# Altium PCB roach2.PcbDoc (part 26 of 39) (continued)
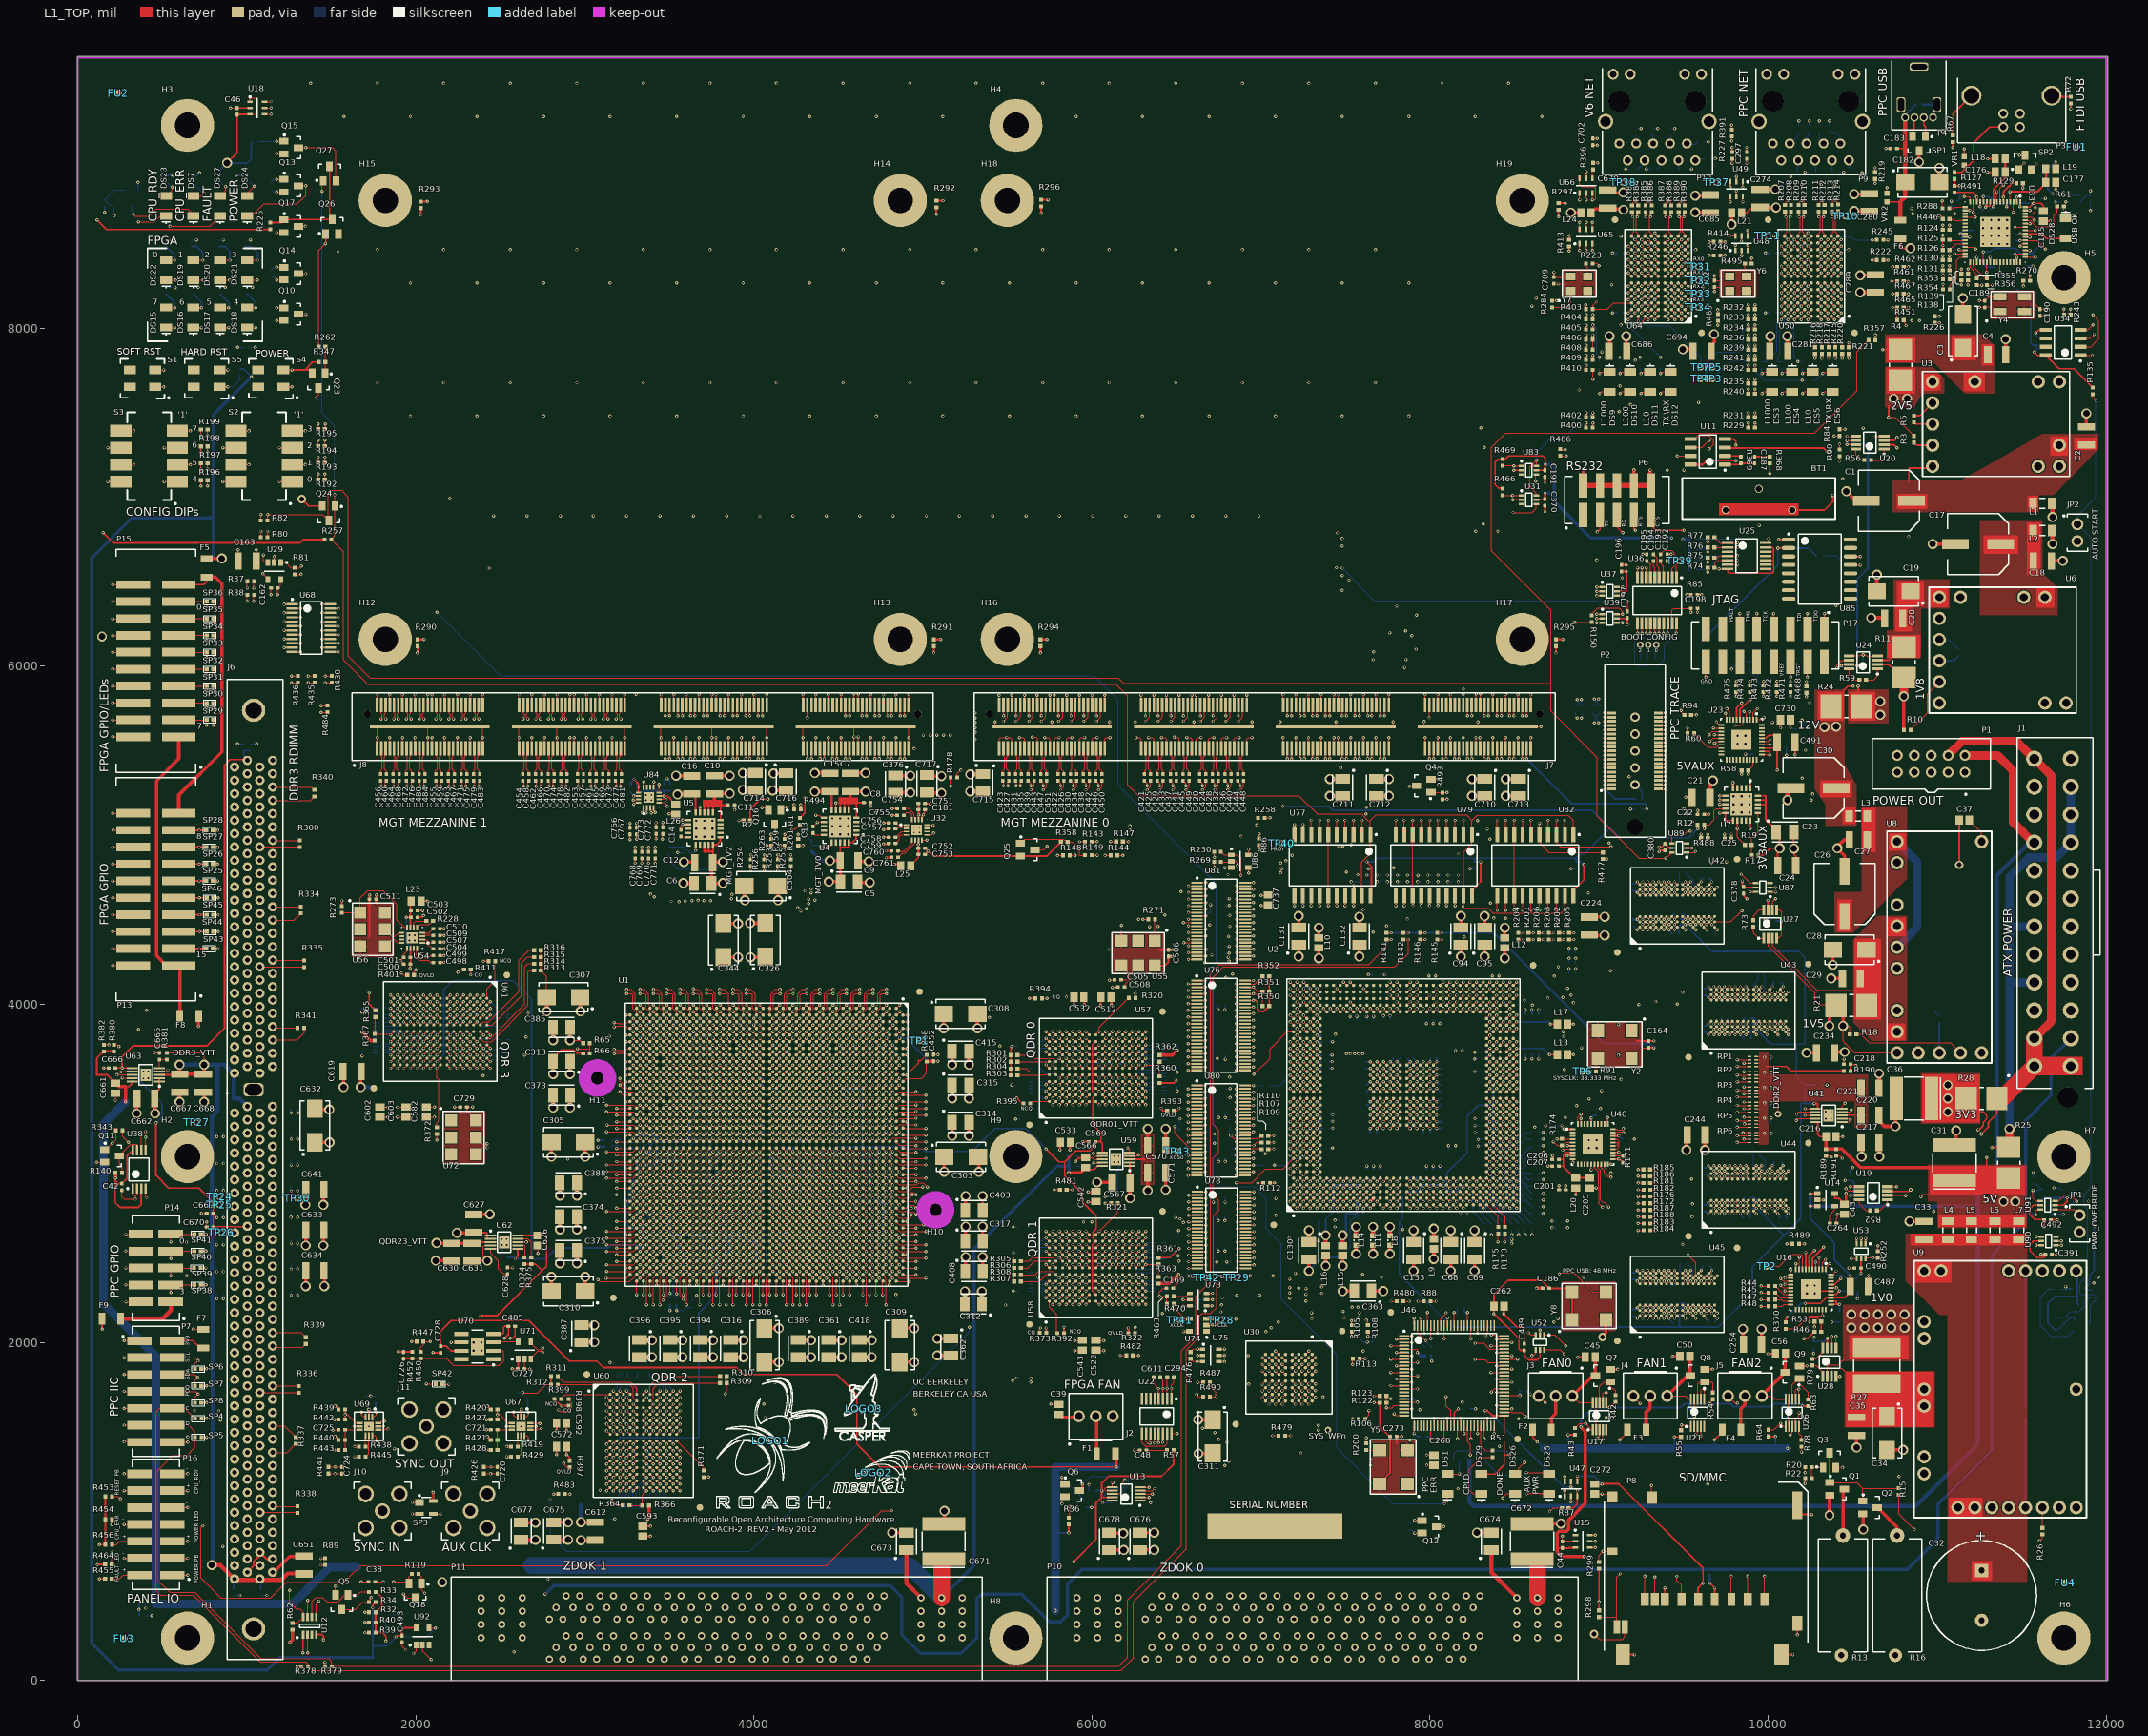
[diagram p0: L1_TOP view]
## Nets (pads, with @x,y where several pads share a name; then routed paths per layer and width w, separated by ;. In a path a pad name is that pad's centre, name@x,y a point inside that pad or via, vN(x,y) a via of type N, cw(c..) or ccw(c..) an arc to the next point about the centre after c; other vN are vias at no path point) (continued)
  L16_BOT w5: R434.1@992.99,8522.68 v2@1022.68,8522.68
NetR435_1: R435.1 U68.2 | length 563
  L1_TOP w5: U68.2@1269.79,6341.15 v2(1317.95,6341.15) ; v2(1364.3,5902.71) 1364.9,5903.31 R435.1@1402.99,5903.31
  L9_R w3.8: v2(1317.95,6341.15) 1346.99,6312.11 1346.99,6058.99 1324.99,6036.99 1324.99,5942.02 v2(1364.3,5902.71)
NetR438_1: R438.1 U69.7 | length 69.1
  L1_TOP w5: R438.1@1702.68,1382.99 1702.68,1451.18 U69.7@1703.31,1451.81
NetR445_2: R445.2 U69.8 | length 137.2
  L1_TOP w5: R445.2@1702.68,1322.99 1722.99,1343.31 U69.8@1722.99,1451.81
NetR447_1: R447.1 R450.2 U70.6 | length 294.3
  L1_TOP w5: R450.2@2030,1944.69 2030,1970 2044.69,1984.69 R447.1@2044.69,2005 v6(2085,2005) ; v6(2210,2000) U70.6@2270.51,2000
  L14_S w5: v6(2085,2005) 2205,2005 v6(2210,2000)
NetR463_1: R463.1 U73.4 | length 109.2
  L1_TOP w5: R463.1@6482.68,2272.99 6556.99,2272.99 6574.39,2290.39 U73.4@6584.68,2290.39
NetR470_1: R470.1 U74.4 | length 153.7
  L1_TOP w5: R470.1@6480.68,2226.99 6480.68,2208.32 6548.61,2140.39 U74.4@6576.81,2140.39 U74.4@6576.81,2151.19
NetR487_2: R487.2 U78.1 U78.24 | length 1371.3
  L1_TOP w5: v1(6572.93,2437.86) U78.24@6623.93,2437.86 U78.24@6640.87,2437.86 ; U78.1@6606.99,2890.61 U78.1@6623.93,2890.61 v1(6674.93,2890.61) ; v2(6626.99,1762.99) R487.2@6658.31,1762.99
  L5_S w3.8: v2(6626.99,1762.99) 6626.99,1868.45 6641.28,1882.75 6641.28,2369.5 v1(6572.93,2437.86) 6622.99,2487.92 6622.99,2838.68 v1(6674.93,2890.61)
NetR490_2: R490.2 U81.1 U81.24 | length 3362.8
  L1_TOP w5: v1(6570.73,4266.54) U81.24@6621.73,4266.54 U81.24@6638.67,4266.54 ; U81.1@6604.79,4719.3 U81.1@6621.73,4719.3 v1(6672.73,4719.3) ; v2(6618.99,1690.99) 6631.99,1677.99 R490.2@6658.31,1677.99
  L3_S w3.8: v3(6616.99,4166.99) 6616.99,4220.28 v1(6570.73,4266.54) 6602.99,4298.8 6602.99,4649.56 v1(6672.73,4719.3)
  L5_S w3.8: v3(6616.99,4166.99) 6580.99,4166.99 6546.99,4132.99 6546.99,2734.19 6556.59,2724.59 6556.59,2702.53 6546.99,2692.93 6546.99,2442.99 6557.33,2432.65 6557.33,2274.32 6570.59,2261.05 6570.59,2208.53 6564.99,2202.93 6564.99,1744.99 v2(6618.99,1690.99)
NetR491_1: R491.1 U33.14 | length 198.5
  L1_TOP w5: U33.14@11234.72,8747.14 v3(11234.72,8774.64)
  L1_TOP w10: R491.1@11102.99,8803.31 11212.68,8803.31 11234.72,8781.26 v3(11234.72,8774.64) U33.14@11234.72,8751.14
NetR495_1: R495.1 Y6.3 | length 80.7
  L1_TOP w5: R495.1@9863.31,8382.99 9863.31,8354.23 9872.99,8344.54 Y6.3@9872.99,8306.3
NetTP2_1: TP2.1 U16.8 | length 326
  L1_TOP w5: TP2.1@9993,2450 10067,2450 10139,2522 10196,2522 10203.78,2514.22 U16.8@10203.78,2432.09
NetTP10_1: TP10.1 U50.M5 | length 329
  L1_TOP w5: v1(10236.22,8523.62) U50.M5@10255.91,8503.94
  L3_S w5: v1(10236.22,8523.62) 10271.62,8523.62 10320.99,8572.99 10404.99,8572.99 10457.99,8625.99 TP10.1@10457.99,8662.99
NetTP11_1: TP11.1 U50.M6 | length 255.8
  L1_TOP w5: v1(10196.85,8523.62) U50.M6@10216.54,8503.94
  L3_S w5: TP11.1@9997.99,8547.99 10020.99,8570.99 10149.48,8570.99 v1(10196.85,8523.62)
NetTP31_1: TP31.1 U64.B2 | length 341.1
  L1_TOP w5: U64.B2@9468.5,8110.24 v1(9488.19,8090.55)
  L8_R w5: v1(9488.19,8090.55) 9506.99,8109.35 9506.99,8254.99 9586.61,8334.61 TP31.1@9586.61,8362.99
NetTP32_1: TP32.1 U64.D3 | length 257
  L1_TOP w5: U64.D3@9429.13,8188.98 v1(9448.82,8169.29)
  L5_S w3.8: v1(9448.82,8169.29) 9468.99,8189.46 9468.99,8264.99 9486.99,8282.99 TP32.1@9586.61,8282.99
NetTP33_1: TP33.1 U64.C3 | length 238.3
  L1_TOP w5: U64.C3@9429.13,8149.61 v1(9448.82,8129.92)
  L5_S w3.8: v1(9448.82,8129.92) 9465.75,8112.99 9544.99,8112.99 9554.99,8122.99 9554.99,8171.37 TP33.1@9586.61,8202.99
NetTP34_1: TP34.1 U64.B3 | length 211.2
  L1_TOP w5: U64.B3@9429.13,8110.24 v1(9448.82,8090.55)
  L5_S w3.8: v1(9448.82,8090.55) 9470.38,8068.99 9556.99,8068.99 9586.61,8098.61 TP34.1@9586.61,8122.99
NetTP37_1: TP37.1 U64.M6 | length 676.9
  L1_TOP w5: v1(9291.34,8523.62) U64.M6@9311.02,8503.94
  L9_R w5: v1(9291.34,8523.62) 9309.97,8504.99 9354.99,8504.99 9410.99,8560.99 9546.99,8560.99 9692.99,8706.99 TP37.1@9692.99,8862.99
NetTP38_1: TP38.1 U64.M5 | length 445
  L1_TOP w5: v1(9330.71,8523.62) U64.M5@9350.39,8503.94
  L9_R w5: TP38.1@9142.99,8862.99 9250.99,8754.99 9250.99,8603.34 v1(9330.71,8523.62)
NetTP39_1: TP39.1 U36.1 | length 107.4
  L1_TOP w5: U36.1@9458.15,6523.83 9458.15,6603.15 TP39.1@9477.99,6622.99
NetU2_C27: U2.C27 U83.4 | length 4647.8
  L1_TOP w5: v1(7252.44,3856.69) U2.C27@7272.13,3837.01 ; v6@8625,7090 U83.4@8625,7135.22
  L3_S w3.94: v6(7446,6583) 7938,7075 8605,7075 v6(8625,7095)
  L12_S w3.94: v1(7252.44,3856.69) 7252.44,3873.91 7228.97,3897.37 7228.97,3935.77 7228.74,3936 7228.74,4223.74 7259,4254 7259,4303 7210,4352 7210,4462 7223,4475 7240,4475 7258.49,4493.49 7258.49,4539.38 7215.12,4582.75 7215.12,4590.88 7202,4604 7202,4629 7208.6,4635.6 7208.6,4904.22 7202,4910.82 7202,4950 7213.66,4961.66 7213.66,5137.34 7206,5145 7206,5255 7016,5445 7016,6308.4 7194.59,6486.99 7349.99,6486.99 v6(7446,6583)
NetU2_D27: U2.D27 U31.4 | length 4425
  L1_TOP w5: v1(7291.81,3856.69) U2.D27@7311.5,3837.01 ; v6(8491,6910) 8491,6914 8495,6910 8603,6910 8628.31,6935.31 U31.4@8628.31,6959.41
  L3_S w3.94: v6(7521,6509) 7610,6509 8011,6910 v6(8491,6910)
  L12_S w3.94: v1(7291.81,3856.69) 7291.81,3873.91 7276.14,3889.57 7276.14,4134.14 7293,4151 7293,4561 7278,4576 7278,4760 7260,4778 7260,5048 7268,5056 7268,5071 7253,5086 7253,5267 7071,5449 7071,6285.62 7217.38,6431.99 7413.99,6431.99 7491,6509 v6(7521,6509)
NetU2_N3: U2.N3 Y8.3 | length 1896.2
  L1_TOP w5: v1(7646.14,2872.44) U2.N3@7665.83,2892.13 ; v6(8765,2405) 8770,2410 8850,2410 8962.32,2297.68 Y8.3@9040,2297.68
  L5_S w3.8: v1(7646.14,2872.44) 7691.54,2872.44 7706.99,2856.99 7706.99,2789.09 7798.42,2697.67 7798.42,2459.56 7902.99,2354.99 8506.99,2354.99 8570.99,2418.99 8705,2418.99
  L5_S w3.94: 8705,2418.99 8751.01,2418.99 v6(8765,2405)
NetU36_11: U36.11 U36.14 | length 251.2
  L1_TOP w5: v2(9227.83,6195.46) U36.11@9227.83,6254.15 ; v2(9304.61,6195.46) U36.14@9304.61,6254.15
  L14_S w5: v2(9227.83,6195.46) 9227.83,6209.4 9253.43,6234.99 9292.61,6234.99 9304.61,6222.99 v2(9304.61,6195.46)
NetU40_24: U40.24 U40.27 | length 133.1
  L1_TOP w5: U40.27@9082.09,3202.52 9107.48,3202.52 9120,3190 9120,3154 9109.46,3143.46 U40.24@9082.09,3143.46 U40.24@9093.84,3143.46
NetU40_25: U40.25 U40.26 | length 72.2
  L1_TOP w5: U40.25@9082.09,3163.15 9107.15,3163.15 9110,3166 9110,3180 9107.17,3182.83 U40.26@9082.09,3182.83
NetU70_3: U70.3 U71.5 | length 147.8
  L1_TOP w5: U70.3@2459.49,2000 2463.66,2004.17 U71.5@2605.59,2004.17
NetU90_1: U90.1 U91.4 | length 550.7
  L1_TOP w5: v2(11566,2900) 11566,2855 11584.41,2836.59 U91.4@11610.69,2836.59 ; U90.1@11703.31,2574.41 v2(11734.74,2574.41)
  L3_S w5: v2(11566,2900) 11650,2816 11650,2614 11689.59,2574.41 v2(11734.74,2574.41)
PB_CTRL: Q18.1 R119.2 R226.2 | length 18925.2
  L1_TOP w5: R119.2@2016.69,630 2034.4,612.28 Q18.1@2034.4,573.31 2034.4,534.6 v6(2053,516) ; R226.2@10986.19,8031.31 v2(11012.77,8031.31)
  L3_S w3.94: v6(2053,516) 2053,439 2412,80 6246.63,80 6264.3,62.32 8225.32,62.32 8351,188 8351,640 8216,775 7933,775 7479,1229 7351,1229 v6(7236,1344)
  L9_R w3.94: v6(7236,1344) 7236,1464 7298,1526 7691,1526 7854,1689 8083.05,1689 8088.5,1694.45 8114.45,1694.45 8325,1905 8387,1905 8420,1872 8526,1872 8539,1885 9643,1885 9772,2014 9772,2169.85 10008.15,2406 10008.62,2405.53 10468.53,2405.53 10522,2459 10894.88,2459 10904.21,2468.33 10984.33,2468.33 11222,2706 11222,3148 11435,3361 11435,6342 11055,6722 11055,7989.09 v2(11012.77,8031.31)
PB_IRQN: R89.1 U2.W34 U12.5 | length 15350.5
  L1_TOP w5: U12.5@1411.38,374.57 1411.38,455.38 v2(1424.99,468.99) ; v3(1438.33,683.51) 1438.53,683.31 R89.1@1462.99,683.31 ; U2.W34@7902.05,4112.6 v1(7921.73,4132.28)
  L8_R w3.8: v2(835,1592) 835,2076.98 674.99,2236.99 674.99,2378.71 667.36,2386.34 667.36,2599.27 674.99,2606.9 674.99,2803.61 894.08,3022.7 894.08,3071 880.19,3084.88 880.19,3191.1 886.08,3196.99 886.08,3333.91 854.19,3365.79 854.19,4704.19 867.68,4717.68 867.68,5414.3 898.99,5445.61 898.99,5764.99 1134,6000 1568,6000 1656,5912 5316,5912 5336,5892 7749.8,5892 v2(7850.79,5992.99) ; v2(858.99,792.99) 894.73,757.26 894.73,744.09 926.15,712.67 942.05,712.67 969.6,685.12 1036.39,685.12 1063.94,712.67 1091.66,712.67 1120.81,683.51 v3(1438.33,683.51) 1396.99,642.17 1396.99,496.99 v2(1424.99,468.99)
  L12_S w3.8: 805,1511 805,1506 ; v2(835,1592) 835,1558 805,1528 805,1506 ; v2(858.99,792.99) 846.99,804.99 846.99,1108.99 805,1150.98 805,1506
  L14_S w3.8: v2(7850.79,5992.99) 7850.79,5446.68 7935.39,5362.08 7935.39,5097.89 7932.39,5094.89 7932.39,5081.96 7935.39,5078.96 7935.39,4779.13 7944.59,4769.93 7944.59,4718.59 7876.99,4650.99 7876.99,4530.99 7921.73,4486.25 v1(7921.73,4132.28)
PCTRL_EN: Q19.1 R30.2 R139.2 | length 6363.1
  L1_TOP w5: R139.2@11182.68,8322.99 v2(11182.68,8349.57)
  L9_R w3.8: v2(11182.68,8349.57) 11182.68,8321.31 11228.99,8274.99 11344.65,8274.99 11850.99,7768.65 11850.99,7638.99 11804.99,7592.99 11804.99,7386.65 11894.79,7296.85 11894.79,5774.79 11696.79,5576.79 11696.79,3327.79 11604,3235 11604,2982 11664,2982 11746,2900 v2(11746,2759)
  L16_BOT w5: R30.2@11667.4,2762.28 Q19.1@11667.4,2816.69 ; R30.2@11670,2759.69 11745.31,2759.69 v2(11746,2759)
PCTRL_ON: Q20.1 R138.2 | length 6035.5
  L1_TOP w5: v6(11182.68,8257.68) R138.2@11182.68,8282.99
  L9_R w3.8: v6@11182.68,8258.16 11196.84,8258.16 11242.01,8212.99 11372.99,8212.99 11828.99,7756.99 11828.99,7650.65 11781.19,7602.85 11781.19,7376.79 11877,7280.98 11877,5790.66 11672.99,5586.65 11672.99,3340.99 11587,3255 11587,2954 11626.91,2914.09 v6(11690,2914.09)
  L16_BOT w5: v6(11690,2914.09) 11721.81,2914.09 Q20.1@11737.6,2898.31
POWER_LEDN: DS24.1 P16.9 Q13.3 | length 10051.9
  L1_TOP w5: P16.9@560.43,1022.99 v2(650.95,1022.99) ; DS24.1@1002.99,8663.94 1028.94,8663.94 1100,8735 1298.56,8735 1348.56,8785 v2(1348.56,8842.99) Q13.3@1306.3,8842.99
  L3_S w3.8: v2(650.95,1022.99) 418.99,1022.99 169.39,1272.59 169.39,3767.45 180.99,3779.05 180.99,6216.99 130.99,6266.99 130.99,7424.99 252.99,7546.99 252.99,7684.99 356.99,7788.99 530.99,7788.99 696.99,7622.99 944.99,7622.99 1014.99,7692.99 1266.99,7692.99 1412.99,7838.99 1412.99,8626.99 1348.56,8691.42 v2(1348.56,8842.99)
POWER_PBN: JP2.2 P16.1 Q18.3 R32.1 S4.1 U12.2 | length 25359.5
  L1_TOP w5: P16.1@560.43,622.99 v2(650.95,622.99) ; S4.1@1217.99,7652.99 v2(1267.93,7652.99) ; U12.2@1360.2,271.42 1360.2,163.79 v2(1360.99,162.99) ; v3(1698.65,403.2) 1698.85,402.99 R32.1@1723.31,402.99 ; v6(1927,511) 1951.31,486.69 Q18.3@1997,486.69
  L5_S w3.94: v2(1267.93,7652.99) 1490,7875.06 1490,9333 1526,9369 8649,9369 8726,9446 10569,9446 10609,9486 11833,9486 11984,9335 11984,6894 JP2.2@11830,6740
  L8_R w3.8: v2(650.95,622.99) 468.99,622.99 95.2,996.78 95.2,3071.49 100.99,3077.27 100.99,6404.99 360.99,6664.99 360.99,7450.99 492.99,7582.99 1197.93,7582.99 v2(1267.93,7652.99) ; v2(1360.99,162.99) 1360.99,296.99 1398.99,334.99 1582.99,334.99 1651.2,403.2 v3(1698.65,403.2)
  L9_R w3.8: v2(650.95,622.99) 874.95,398.99 1124.99,398.99 v2(1360.99,162.99) ; v3(1698.65,403.2) 1819.2,403.2 v6(1927,511)
PPC_GPIO0: P14.5 SP41.2 U2.C6 | length 10039.6
  L1_TOP w5: v6(551,2595) 550.39,2595.61 P14.5@550.39,2640 SP41.2@690,2640 ; v1(7252.44,2990.55) U2.C6@7272.13,3010.24
  L8_R w3.8: v6(551,2595) 513,2557 513,2477.39 574.21,2416.19 574.21,2273.18 563,2261.97 563,1516.64 575.25,1504.39 758.63,1504.39 812.99,1450.03 812.99,1424.99 883.57,1354.41 942.05,1354.41 970.62,1382.99 996.99,1382.99 998.02,1381.96 1016.85,1381.96 1047.82,1350.99 1098.99,1350.99 1134.94,1315.04 1166.46,1315.04 1175.8,1324.39 1617.78,1324.39 1632.18,1338.8 1645.11,1338.8 1659.51,1324.39 2417.3,1324.39 2433.3,1340.39 2511.44,1340.39 2517.64,1346.6 2559.65,1346.6 2565.86,1340.39 2773.25,1340.39 3030.45,1083.19 3630.34,1083.19 3707.59,1160.45 3707.59,1224.63 3982.16,1499.19 6160.16,1499.19 6230.67,1569.7 6399.94,1569.7 6493.41,1476.23 6510.95,1476.23 6520.09,1467.09 6520.09,1449.55 6558.65,1410.99 v2(6796.99,1410.99)
  L9_R w3.8: v2(6796.99,1410.99) 6806.99,1410.99 6826.99,1430.99 6826.99,2166.99 6954.59,2294.59 7167.39,2294.59 v2(7168.99,2292.99)
  L14_S w3.8: 7178.99,2292.99 7184.99,2298.99 7184.99,2346.99 7226.99,2388.99 7226.99,2783.88 7228.67,2785.56 7228.67,2966.78 v1(7252.44,2990.55)
PPC_GPIO1: P14.4 SP40.2 U2.A4 | length 9748.6
  L1_TOP w5: v6@550.39,2495.61 P14.4@550.39,2540 SP40.2@690,2540 ; v1(7173.7,2911.81) U2.A4@7193.39,2931.5
  L8_R w3.8: v6(551,2495) 587.59,2458.41 587.59,1562.41 629.81,1520.19 795.79,1520.19 822.39,1493.59 822.39,1451.59 864.53,1409.46 902.45,1409.46 914.33,1421.33 961.58,1421.33 989.13,1393.79 1016.85,1393.79 1044.4,1421.33 1111.19,1421.33 1138.74,1393.79 1184.2,1393.79 1237.79,1340.19 1611.24,1340.19 1617.64,1346.6 1659.65,1346.6 1666.06,1340.19 2417.7,1340.19 2433.7,1356.19 2779.79,1356.19 3036.99,1098.99 3623.79,1098.99 3691.79,1166.99 3691.79,1231.17 3975.61,1514.99 6153.61,1514.99 6224.12,1585.5 6406.48,1585.5 6499.95,1492.03 6506.18,1492.03 6535.89,1462.32 6535.89,1456.09 6564.99,1426.99 v2(6750.99,1426.99)
  L9_R w3.8: v2(6750.99,1426.99) 6806.99,1426.99 6808.99,1428.99 6808.99,2174.99 6956.99,2322.99 v2(7168.99,2322.99)
  L14_S w3.8: v2(7168.99,2322.99) 7168.99,2344.99 7184.99,2360.99 7184.99,2384.99 7161.39,2408.59 7161.39,2437.45 7174.99,2451.05 7174.99,2498.99 7189.3,2513.3 7189.3,2896.21 v1(7173.7,2911.81)
PPC_GPIO2: P14.3 SP39.2 U2.M3 | length 10693.3
  L1_TOP w5: v6@550.4,2395.6 P14.3@550.39,2440 SP39.2@688.99,2439.99 ; v1(7606.77,2872.44) U2.M3@7626.46,2892.13
  L8_R w3.8: v6(551.01,2394.99) 551.01,2336.99 566.41,2321.59 566.41,2276.41 533,2243 533,1501.95 562.16,1472.79 705.19,1472.79 874.99,1302.99 887.45,1302.99 894.73,1295.72 894.73,1295.27 914.33,1275.67 942.05,1275.67 969.6,1303.22 1025.36,1303.22 1061.59,1266.99 1076.99,1266.99 1077.87,1267.87 1107.17,1267.87 1138.74,1236.3 1166.46,1236.3 1222.94,1292.79 2430.39,1292.79 2446.39,1308.79 2530.99,1308.79 2532.18,1307.6 2545.11,1307.6 2546.3,1308.79 2760.16,1308.79 3028.95,1040 3631.83,1040 3739.19,1147.36 3739.19,1189.13 3746.91,1196.84 3746.91,1219.25 3995.25,1467.59 6173.25,1467.59 6243.76,1538.1 6386.85,1538.1 6546.73,1378.22 6563.36,1378.22 6584.14,1398.99 6663.12,1398.99 6689.12,1372.99 6836.99,1372.99 6856.99,1392.99 7564.99,1392.99 v2(7648.99,1308.99)
  L14_S w3.8: v1(7606.77,2872.44) 7622.37,2856.84 7622.37,2783.61 7638.99,2766.99 7688.99,2766.99 7712.99,2742.99 7712.99,2740.99 7722.99,2730.99 7722.99,2460.99 7768.99,2414.99 7768.99,2280.99 7788.99,2260.99 7788.99,2029.06 7785.92,2025.99 7785.92,1773.77 7802.59,1757.1 7802.59,1352.59 7758.99,1308.99 v2(7648.99,1308.99)
PPC_GPIO3: P14.2 SP38.2 U2.P4 | length 10677.2
  L1_TOP w5: v6@550.4,2295.6 P14.2@550.39,2340 SP38.2@689.99,2339.99 ; v1(7685.51,2911.81) U2.P4@7705.2,2931.5
  L8_R w3.8: v6(551.01,2294.99) 501,2244.98 501,1511.61 555.61,1456.99 686.99,1456.99 880.13,1263.85 942.05,1263.85 969.6,1236.3 1033.02,1236.3 1044.34,1224.99 1044.34,1216.53 1063.94,1196.93 1111.19,1196.93 1138.74,1224.48 1165.67,1224.48 1218.18,1276.99 1516.93,1276.99 1518.53,1278.59 1531.45,1278.59 1545.05,1265 2424.94,1265 2452.93,1292.99 2753.61,1292.99 3021.61,1025 3639.18,1025 3754.99,1140.81 3754.99,1204.99 4001.79,1451.79 6179.79,1451.79 6250.3,1522.3 6380.3,1522.3 6540.19,1362.42 6576.42,1362.42 6592.42,1378.42 6672.67,1378.42 6698.09,1352.99 6846.99,1352.99 6874.99,1380.99 7540.99,1380.99 v2(7648.99,1272.99)
  L14_S w3.8: v2(7648.99,1272.99) 7648.99,1270.99 7760.99,1270.99 7817.12,1327.12 7817.12,2025.99 7810.99,2032.12 7810.99,2700.99 7740.99,2770.99 7740.99,2808.99 7712.99,2836.99 7712.99,2884.33 v1(7685.51,2911.81)
PPC_HALT: Q25.1 R149.2 R358.2 | length 455.1
  L1_TOP w5: Q25.1@5576.69,4952.4 5602.6,4978.31 5830.82,4978.31 5849.13,4960 R358.2@5855.69,4960 5885,4960 5926.59,4918.41 5926.59,4881.59 5958.9,4881.59 R149.2@5959.31,4881.99
PPC_KILLN: Q25.3 R62.1 U12.8 | length 11837.7
  L1_TOP w5: v2(1252.99,532.99) 1252.99,462.99 1293.98,422 1317,422 1334.61,404.39 U12.8@1334.61,374.57 1299.72,339.68 R62.1@1270,339.68 ; Q25.3@5663.31,4915 5715,4915 v6(5735,4935)
  L8_R w3.8: v2(844.99,1538.99) 842.99,1540.99 858,1556 858,2089.98 704.99,2242.99 704.99,2802.99 912.14,3010.14 914.33,3007.96 942.05,3007.96 961.65,3027.56 961.65,3055.28 942.05,3074.88 923.11,3074.88 893.88,3104.11 893.88,3337.14 866.99,3364.02 866.99,4682.99 880.99,4696.99 880.99,5402.99 894.73,5416.73 894.73,5417.48 922.99,5445.74 922.99,5760.99 1128.99,5966.99 1553.01,5966.99 1624,5896 5272,5896 5380,5788 5451.98,5788 5526.99,5712.99 5526.99,5143.01 v6(5735,4935)
  L12_S w3.8: v2(844.99,1538.99) 844.99,1136.99 876.99,1104.99 876.99,662.99 900.99,638.99 938.99,638.99 978.99,598.99 978.99,594.99 1040.99,532.99 v2(1252.99,532.99)
PPC_SCL: P7.10 R142.1 R378.2 SP4.1 U2.AB32 U87.1 | length 15880.9
  L1_TOP w5: SP4.1@693.62,1550 633.62,1610 P7.10@560.43,1610 485,1610 462.99,1587.99 462.99,532.01 491.63,503.37 684.62,503.37 1078.22,109.77 1349.68,109.77 1364.65,94.8 R378.2@1364.65,82.99 ; R378.2@1362.68,82.99 1385.67,60 6172,60 6245,133 6245,465 6557,777 6557,1952.92 6635,2030.92 6635,2155 6650,2170 6703.18,2170 6738.59,2205.41 6738.59,2355 6718.99,2374.6 6718.99,2748.99 6750,2780 6750,2840 6715,2875 6715,3090 6750,3125 6750,3254.59 6715,3289.59 6715,4160 6775,4220 7790,4220 7870.99,4300.99 v2(7870.99,4383.62) 7870.68,4383.31 R142.1@7842.99,4383.31 ; U2.AB32@8020.16,4033.86 v1(8039.84,4053.54) ; U87.1@10012.31,4665.41 10044.59,4665.41 v6(10045,4665)
  L3_S w3.94: v2(7870.99,4383.62) 8017,4237.61 8017,4156 8059,4114 8059,4072.7 v1(8039.84,4053.54) ; v13(8825,4499) 8962,4636 9103,4636 9265,4798 9912,4798 v6(10045,4665)
  L8_R w3.94: v2(7870.99,4383.62) 7933.37,4446 8369,4446 8415,4492 8700,4492 8724,4516 8808,4516 v13(8825,4499)
PPC_SDA: P7.12 R141.1 R379.2 SP5.1 U2.AB33 U89.1 | length 15092.7
  L1_TOP w5: P7.12@560.43,1510 655,1510 693.62,1471.38 SP5.1@693.62,1438.92 693.62,1378.62 646,1331 561.81,1331 471.99,1241.19 471.99,593.01 544.66,520.34 693.62,520.34 1083.96,130 1485,130 1502.68,112.32 R379.2@1502.68,82.99 6157.99,82.99 6210,135 6210,475.79 6530.98,796.78 6530.98,1950.98 6615,2035 6615,2273.79 6704.18,2362.97 6704.18,2393.84 6701.79,2396.22 6701.79,4186.75 6750.04,4235 7639,4235 7742.99,4338.99 R141.1@7742.99,4383.31 7770.68,4383.31 v2(7770.99,4383.62) ; U2.AB33@8020.16,4073.23 v1(8039.84,4092.91) ; U89.1@9518.31,4899.41 9564.41,4899.41 v6(9570,4905)
  L3_S w3.94: v2(7770.99,4383.62) 7770.99,4361.77 v1(8039.84,4092.91) ; v6(8937,4659) 9078,4659 9264,4845 9510,4845 v6(9570,4905)
  L8_R w3.94: v2(7770.99,4383.62) 7858.37,4471 8367,4471 8427,4531 8812,4531 v6@8940,4659
PPC_SYSERR: Q10.1 R92.2 R94.2 U2.AD32 U23.5 | length 13174.8
  L1_TOP w5: v2(1177.42,8120.39) Q10.1@1219.68,8120.39 ; U2.AD32@8098.9,4033.86 v1(8118.58,4053.54) ; v6(9485,5739) 9485,5732.31 R94.2@9505.31,5712 ; v6(9805,5650) 9840,5650 9852.83,5662.83 U23.5@9852.83,5684.09
  L8_R w3.8: v2(946.59,7887.39) 988.19,7928.99 1332.83,7928.99 1350.83,7946.99 ; v2(1177.42,8120.39) 1350.83,7946.99 ; v2(7916.99,6100.99) 7768.99,6100.99 7532.99,6336.99 2504.36,6336.99 1557.79,7283.56 1557.79,7866.19 1476.99,7946.99 1350.83,7946.99
  L9_R w3.8: v2(7916.99,6100.99) 8119.01,6100.99 8282,5938 9373,5938 9458,5853 9458,5599 9568,5489 9697,5489 9774,5566 9774,5634 9790,5650 v6(9805,5650)
  L9_R w5: 9459,5739 v6(9485,5739)
  L14_S w3.8: v2(7916.99,6100.99) 7929.59,6088.39 7929.59,5479.6 8014.39,5394.8 8014.39,5116.43 8021.39,5109.43 8021.39,5067.42 8014.39,5060.42 8014.39,4781.37 8023.59,4772.17 8023.59,4754.67 8031.39,4746.87 8031.39,4682.59 8062.99,4650.99 8062.99,4560.99 ; 8062.99,4588.99 8062.99,4560.99 ; v1(8118.58,4053.54) 8118.58,4070.85 8134.18,4086.45 8134.18,4515.8 8100.99,4548.99 8074.99,4548.99 8062.99,4560.99
  L16_BOT w5: v2(946.59,7887.39) 946.99,7886.99 R92.2@979.31,7886.99
PPC_TCK: U2.P2 U77.14 | length 2178.7
  L1_TOP w5: v2(7347.99,4583.31) U77.14@7347.99,4641.89 ; v1(7685.51,2833.07) U2.P2@7705.2,2852.76
  L8_R w3.8: v2(7347.99,4583.31) 7372.31,4558.99 v2(7604.99,4558.99)
  L14_S w3.8: v2(7604.99,4558.99) 7606.99,4558.99 7620,4545.98 7620,4390 7675,4335 7675,4105 7622.37,4052.37 7622.37,3956.72 7610.38,3944.73 7610.38,3922.67 7624.99,3908.06 7624.99,3688.99 7614.99,3678.99 7614.99,3198.99 7653.3,3160.68 7653.3,3056.86 7649.75,3053.32 7649.75,3036.85 7666.99,3019.61 7666.99,2851.59 v1(7685.51,2833.07)
PPC_TDI: R477.2 U2.K3 | length 4440.7
  L1_TOP w5: v1(7528.03,2872.44) U2.K3@7547.72,2892.13 ; R477.2@9022.99,4859.31 v3(9046.52,4859.31)
  L8_R w3.8: v2(7712.99,2384.99) v2(8908.99,2384.99)
  L9_R w3.8: v2(8908.99,2384.99) 8910.99,2386.99 8950.99,2386.99 8997.56,2433.56 8997.56,2903.29 9005.51,2911.24 9005.51,3204.44 8993.23,3216.71 8993.23,3389.3 8997.56,3393.63 8997.56,4555.56 9046.52,4604.52 v3(9046.52,4859.31)
  L14_S w3.8: v1(7528.03,2872.44) 7544.99,2855.48 7544.99,2770.99 7564.99,2750.99 7674.99,2750.99 7712.99,2712.99 v2(7712.99,2384.99)
PPC_TDO: R478.1 U2.B22 | length 3567.5
  L1_TOP w5: R478.1@5202.68,5342.99 5202.68,5362.68 v2(5224.99,5384.99) ; v1(7213.07,3659.84) U2.B22@7232.76,3640.16
  L14_S w3.8: v2(5224.99,5384.99) 5254.89,5384.99 5265.32,5395.42 5306,5395.42 5564.43,5136.99 6980.99,5136.99 7230.99,4886.99 7230.99,4565.09 7258.42,4537.67 7258.42,4508.32 7246.04,4495.94 7246.04,4310.04 7258.42,4297.67 7258.42,4268.32 7228.67,4238.57 7228.67,3692.75 7213.07,3677.15 v1(7213.07,3659.84)
PPC_THERM_N: C294.1 U2.D16 U22.2 | length 3051.8
  L1_TOP w5: C294.1@6445.31,1795 6445.31,1727.32 v2(6444.99,1726.99) 6445.49,1726.49 U22.2@6445.49,1665.35 ; v1(7291.81,3384.25) U2.D16@7311.5,3403.94
  L5_S w3.8: v2@6445.49,1726.49 6457.19,1714.79 6457.19,1657.76 6473.76,1641.19 6820.22,1641.19 6906.99,1727.96 6906.99,2443.99 6919.28,2456.28 6919.28,3518.28 6947,3546 6989,3546 7015,3520 7015,3414.77 7069.29,3360.48 7250.73,3360.48 7274.5,3384.25 v1(7291.81,3384.25)
PPC_THERM_P: C294.2 U2.C16 U22.1 | length 3012.7
  L1_TOP w5: U22.1@6470.49,1665.35 6470.49,1726.49 v2(6469.99,1726.99) 6469.99,1746.47 6484.69,1761.16 C294.2@6484.69,1795 ; v1(7252.44,3384.25) U2.C16@7272.13,3403.94
  L5_S w3.8: v2@6471.99,1724.99 v2(6469.99,1726.99) 6464.99,1731.99 6464.99,1660.99 6476.99,1648.99 6816.99,1648.99 6899.19,1731.19 6899.19,2447.22 6911.48,2459.52 6911.48,3521.52 6943.77,3553.8 6992.23,3553.8 7022.8,3523.23 7022.8,3418 7072.52,3368.28 7236.47,3368.28 v1(7252.44,3384.25)
PPC_TMS: U2.K2 U79.7 | length 2746.2
  L1_TOP w5: v1(7528.03,2833.07) U2.K2@7547.72,2852.76 ; U79.7@7947.99,5004.09 v2(7947.99,5088.42)
  L8_R w3.8: v2(7534.99,4942.99) 7604.99,4942.99 7686.99,5024.99 7884.56,5024.99 v2(7947.99,5088.42)
  L14_S w3.8: 7474.79,4542.99 7473.06,4541.26 ; v1(7528.03,2833.07) 7528.03,2850.38 7512.43,2865.98 7512.43,3677.49 7489.39,3700.53 7489.39,3914.59 7473.06,3930.92 7473.06,4541.26 ; v2(7534.99,4942.99) 7532.99,4940.99 7532.99,4900.99 7473.06,4841.06 7473.06,4541.26
PPC_USBD_N: P4.2 SP1.2 U2.J1 | length 9576.3
  L1_TOP w5: v1(7488.66,2793.7) U2.J1@7508.35,2813.39
  L1_TOP w8: SP1.2@10855.59,9136.3 10855.59,9175.59 10865.43,9185.43 P4.2@10865.43,9247.4
  L5_S w3.8: v2(7482.59,4934.99) 7474.79,4927.19 7474.79,4488.79 7460.79,4474.79 7460.79,4114.5 7474.99,4100.3 7474.99,3983.2 7473.06,3981.27 7473.06,3671.95 7512.43,3632.58 7512.43,2865.98 7516.79,2861.62 7516.79,2850.17 7504.26,2837.64 7504.26,2826.61 7488.66,2811.01 v1(7488.66,2793.7)
  L12_S w3.8: v2(7482.59,4934.99) 7522.99,4975.39 7522.99,5402.99 7530.79,5410.79 7530.79,5502.99 7572.99,5545.19 7572.99,5640.22 7532.79,5680.42 7532.79,5768.79 7567.28,5803.28 7567.28,8052.25 8946.02,9430.99 10842.99,9430.99 10890.99,9382.99 10890.99,9272.96 P4.2@10865.43,9247.4
PPC_USBD_P: P4.3 SP1.1 U2.J2 | length 9566.6
  L1_TOP w5: v1(7488.66,2833.07) U2.J2@7508.35,2852.76
  L1_TOP w8: P4.3@10920.55,9247.4 10920.55,9203.54 10932.99,9191.1 10932.99,9138.9 SP1.1@10930.39,9136.3
  L5_S w3.8: v2(7459.19,4934.99) 7466.99,4927.19 7466.99,4492.02 7452.99,4478.02 7452.99,4111.27 7467.19,4097.07 7467.19,3986.43 7465.26,3984.5 7465.26,3668.72 7504.63,3629.35 7504.63,2862.75 7508.99,2858.39 7508.99,2853.4 v1(7488.66,2833.07)
  L12_S w3.8: v2(7459.19,4934.99) 7515.19,4990.99 7515.19,5406.22 7522.99,5414.02 7522.99,5506.22 7565.19,5548.42 7565.19,5636.99 7524.99,5677.19 7524.99,5772.02 7559.48,5806.51 7559.48,8055.48 8942.79,9438.79 10846.22,9438.79 10898.79,9386.22 10898.79,9269.16 P4.3@10920.55,9247.4
PPCGETH_CLK25: R495.2 U50.H9 | length 255.3
  L1_TOP w5: R495.2@9902.68,8382.99 v2(9902.68,8414.43) ; v1(10078.74,8366.14) U50.H9@10098.43,8346.46
  L9_R w3.8: v2(9902.68,8414.43) 10030.46,8414.43 v1(10078.74,8366.14)
PPCLED_ACTIVITY: P9.13 R227.2 | length 640.6
  L1_TOP w5: R227.2@9787.99,9042.68 v2(9787.99,9069.26)
  L8_R w3.8: v2(9787.99,9069.26) 9844.99,9126.26 9844.99,9348.99 9961.04,9465.04 10007.62,9465.04 10045.41,9502.83 P9.13@10091.97,9502.83
PPCLED_DUPLEX: R234.1 TP4.1 U50.E8 | length 968.8
  L1_TOP w5: R234.1@9922.68,7992.99 v2(9922.68,8019.57) ; v1(10118.11,8208.66) U50.E8@10137.8,8228.35
  L8_R w3.8: v2(9922.68,8019.57) 9938.28,8035.17 9938.28,8194.28 9972.99,8228.99 10097.78,8228.99 v1(10118.11,8208.66)
  L16_BOT w5: TP4.1@9600,7700 9600,7703 9637,7740 9637,7796 9701,7860 9803,7860 9853,7910 9853,7980 9867,7994 9897.1,7994 v2(9922.68,8019.57)
PPCLED_LINK: P9.11 R219.2 | length 629.4
  L1_TOP w5: R219.2@10632.99,8922.68 v2(10632.99,8949.26)
  L8_R w3.8: P9.11@10514.02,9502.83 10632.99,9383.86 v2(10632.99,8949.26)
PPCLED_LINK10: R247.1 U48.6 U50.C8 | length 1053.3
  L1_TOP w5: v2(9774.16,8546.3) U48.6@9805.59,8546.3 ; v1(10118.11,8129.92) U50.C8@10137.8,8149.61
  L12_S w3.8: v2(9774.16,8546.3) 9849.68,8546.3 9932.99,8462.99 9932.99,8292.98 10076.18,8149.79 10098.24,8149.79 v1(10118.11,8129.92)
  L16_BOT w5: v1(10118.11,8129.92) 10134.99,8113.04 10134.99,8014.99 10152.99,7996.99 10152.99,7826.1 v2(10176.41,7802.68) R247.1@10202.99,7802.68
PPCLED_LINK100: R244.1 U48.3 U50.B8 | length 958.5
  L1_TOP w5: U48.3@9880.39,8459.68 v2(9880.39,8491.12) ; v1(10118.11,8090.55) U50.B8@10137.8,8110.24
  L12_S w3.8: v2(9880.39,8491.12) 9880.39,8225.59 9972.99,8132.99 10002.99,8132.99 10029.63,8106.36 10102.3,8106.36 v1(10118.11,8090.55)
  L16_BOT w5: R244.1@10082.99,7802.68 10056.41,7802.68 10056.41,7836.41 10068.99,7848.99 10068.99,7990.99 10096.99,8018.99 10096.99,8069.43 v1(10118.11,8090.55)
PPCLED_LINK1000: R237.1 U48.1 U50.A9 | length 947.8
  L1_TOP w5: U48.1@9805.59,8459.68 v2(9805.59,8491.12) ; v1(10078.74,8051.18) U50.A9@10098.43,8070.87
  L12_S w3.8: v2(9805.59,8491.12) 9805.59,8284.39 9968.99,8120.99 9986.99,8120.99 10056.8,8051.18 v1(10078.74,8051.18)
  L16_BOT w5: R237.1@9962.99,7802.68 9989.57,7802.68 10052.99,7866.1 10052.99,8025.43 v1(10078.74,8051.18)
PPCLED_RX: R232.1 R236.1 TP3.1 U50.C9 | length 968.5
  L1_TOP w5: R236.1@9922.68,7932.99 v2(9922.68,7959.57) ; R232.1@9922.68,8112.99 v2(9922.68,8139.57) ; v1(10078.74,8129.92) U50.C9@10098.43,8149.61
  L8_R w3.8: v2(9922.68,7959.57) 9966.99,8003.89 9966.99,8114.99 9981.92,8129.92 v1(10078.74,8129.92)
  L9_R w3.8: v2(9922.68,8139.57) 10024.41,8139.57 10034.06,8129.92 v1(10078.74,8129.92)
  L16_BOT w5: TP3.1@9670,7700 9779,7809 9900.99,7809 9900.99,7937.89 v2(9922.68,7959.57)
PPCLED_TX: R242.1 R248.1 U49.3 U49.6 U50.D9 | length 1799.3
  L1_TOP w5: v2(9775.59,8834.87) U49.3@9775.59,8866.3 ; v2(9850.39,8748.25) U49.6@9850.39,8779.68 ; R242.1@9922.68,7752.99 v2(9922.68,7779.57) ; v1(10078.74,8169.29) U50.D9@10098.43,8188.98
  L8_R w3.8: v2(9922.68,7779.57) 9922.68,7812.58 10058.99,7948.89 10058.99,7982.99 10102.51,8026.51 10102.51,8145.52 v1(10078.74,8169.29)
  L12_S w3.8: v2(9775.59,8834.87) 9817.12,8834.87 9880.99,8770.99 9880.99,8749 ; v2(9850.39,8748.25) 9851.14,8749 9880.99,8749 ; v1(10078.74,8169.29) 10048.99,8199.04 10048.99,8348.99 9966.99,8430.99 9966.99,8620.99 9880.99,8706.99 9880.99,8749
  L16_BOT w5: v2(9922.68,7779.57) 9922.68,7745.31 9974.99,7692.99 v2(10201.72,7692.99) R248.1@10228.31,7692.99
PPCMDI_0_N: P9.2 R213.2 SP10.2 U50.N2 | length 745.3
  L1_TOP w5: U50.N2@10374.02,8543.31 10374.02,8556.99 10387.2,8570.18 10387.2,8612.99 ; R213.2@10377.99,8690.31 10376.5,8687.31 10380,8683.81 v2(10380,8658.99) 10387.2,8651.79 10387.2,8612.99 ; 10387.2,8615.79 10387.2,8612.99
  L3_S w3.8: v2(10380,8658.99) 10386.99,8665.98 10386.99,8714.99 10414.99,8742.99 10414.99,9019.68 10446.99,9051.68 10446.99,9066.99 10427.8,9086.19 P9.2@10427.8,9092.99
  L16_BOT w5: SP10.2@10362.99,9162.99 10394.99,9162.99 10427.8,9130.19 P9.2@10427.8,9092.99